# KiCad board fcart.kicad_pcb (continued)
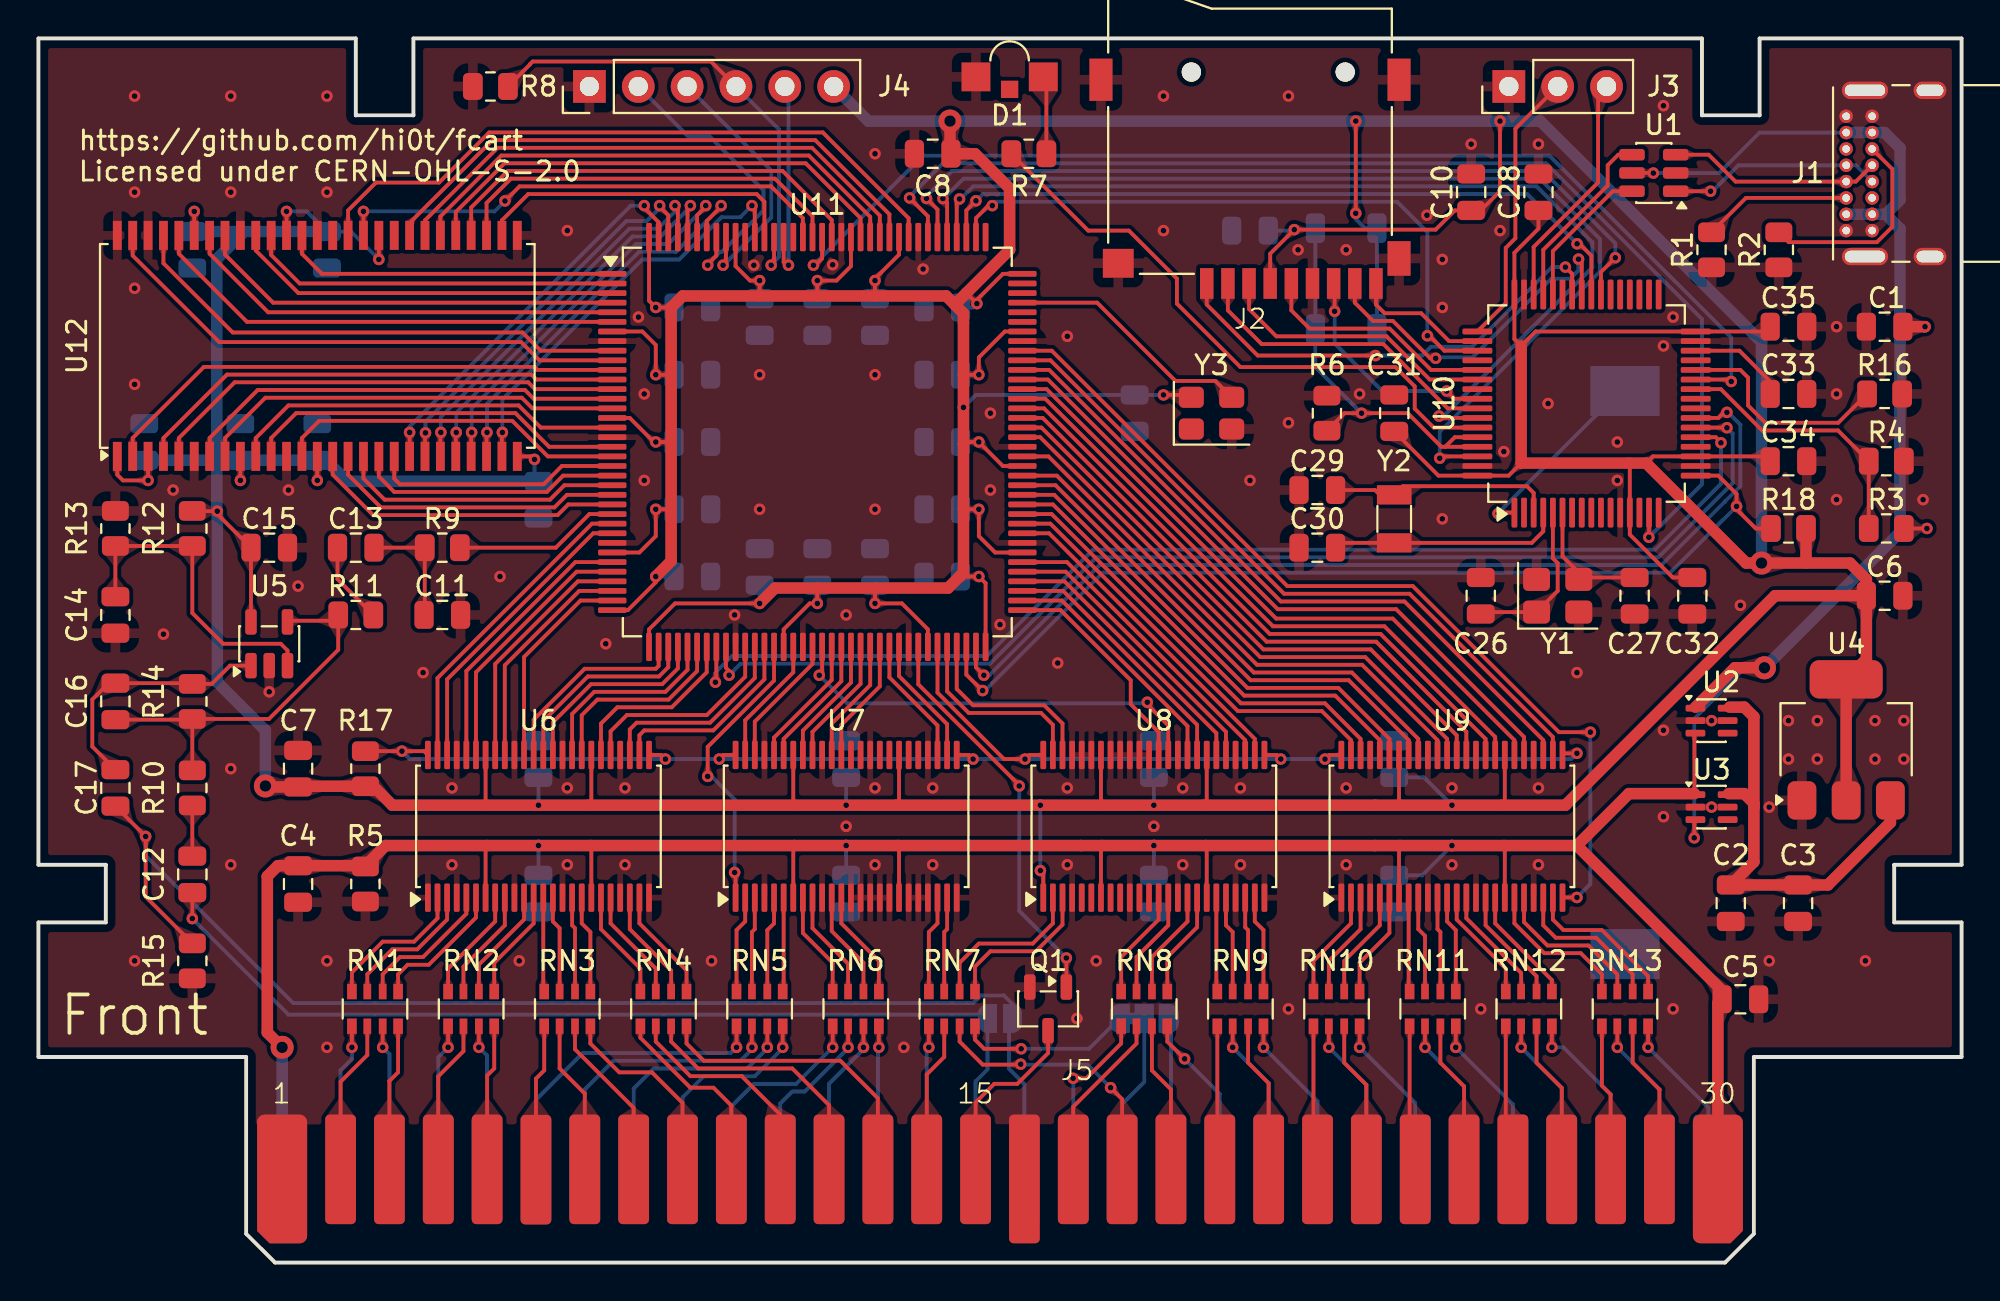
[diagram p0: board, top side]
## Routing (per net, layer and track width the routed paths; a pad name or vN(x,y) marks a point on that pad's centre or on a via; arc(x,y) is an arc through that point) (continued)
SDRAM_DQ5: length 20.7
  Top w0.2: U11.17 26.12,43.45 24.97,44.6 13,44.6 11.3,42.9 U12.10
SDRAM_DQ6: length 20
  Top w0.2: U12.11 12.1,42.9 13.4,44.2 24.8,44.2 26.55,42.45 U11.19
SDRAM_DQ7: length 18.2
  Top w0.2: U12.13 13.7,42.9 14.6,43.8 24.64,43.8 26.49,41.95 U11.20
SDRAM_DQ8: length 17.5
  Top w0.2: U12.42 13.7,52.49 14.75,51.45 U11.1
SDRAM_DQ9: length 19.4
  Top w0.2: U11.2 13.58,50.95 12.1,52.43 U12.44
SDRAM_DQ10: length 20.2
  Top w0.2: U12.45 11.3,52.66 13.51,50.45 U11.3
SDRAM_DQ11: length 22.2
  Top w0.2: U12.47 9.7,52.45 12.2,49.95 U11.4
SDRAM_DQ12: length 23.2
  Top w0.2: U11.5 11.94,49.45 8.9,52.49 U12.48
SDRAM_DQ13: length 25
  Top w0.2: U12.50 7.3,52.49 10.84,48.95 U11.6
SDRAM_DQ14: length 26.7
  Top w0.2: U11.9 26.12,47.45 25.17,48.4 10.1,48.4 6.5,52 U12.51
SDRAM_DQ15: length 28.2
  Top w0.2: U11.10 26.05,46.95 25.1,47.9 9.4,47.9 4.9,52.4 U12.53
SDRAM_LDQM: length 16.6
  Top w0.2: U12.15 15.3,41 17.4,38.9 27,38.9 27.55,39.45 U11.25
SDRAM_RAS: length 13.9
  Top w0.2: U11.22 27.28,40.95 26.43,40.1 18.5,40.1 17.7,40.9 U12.18
SDRAM_UDQM: length 35
  Top w0.2: U12.39 16.1,54.75 17.55,56.2 20.83,56.2 23.44,58.81 40.78,58.81 45.25,54.34 U11.117
SDRAM_WE: length 15.7
  Top w0.2: U11.24 27.48,39.95 26.83,39.3 17.8,39.3 16.1,41 U12.16
SND_IN: length 52.7
  Top w0.2: v1(8,17.9) C12.1
  Bottom w0.2: JP1.1 49.35,10.05 48.73,9.43 J5.45 ; v1(8,17.9) 13,12.9 49.15,12.9
SND_OUT: length 67.2
  Top w0.2: C17.2 v1(5.58,22.17) 5.58,19.04 R15.1
  Bottom w0.2: J5.46 51.27,9.28 50.47,10.08 50.47,12.52 ; JP1.2 50.65,13.45 50.2,13.9 49,13.9 48.6,13.5 13.25,13.5 5.58,21.17 v1(5.58,22.17)
SPI_MISO: length 62.5
  Top w0.2: v1(35.91,30.56) 35.91,30.79 35.75,30.95 U11.45 ; v1(87.8,43.44) 87.79,43.45 U10.22
  Bottom w0.2: v1(87.8,43.44) 88.1,43.14 88.1,40.57 84.23,36.7 55.02,36.7 49.48,31.16 36.51,31.16 v1(35.91,30.56)
SPI_MOSI: length 51
  Top w0.2: U10.23 87.35,43.95 87.64,44.24 v1(87.8,44.24) ; v1(49.16,30.56) 48.75,30.97 U11.71
  Bottom w0.2: v1(49.16,30.56) 49.44,30.56 55.18,36.3 84.4,36.3 87.7,39.6 87.7,39.6 88.5,40.4 88.5,43.6 87.85,44.24 v1(87.8,44.24)
SPI_NCS: length 51.3
  Top w0.2: U11.70 48.25,30.6 49.08,29.76 49.1,29.76 v1(49.1,29.76) ; R18.2 89.3,38.2 88.3,39.2 v1(88.3,39.35) 88.3,40 87.35,40.95 U10.17
  Bottom w0.2: v1(88.3,39.35) 84.85,35.9 55.35,35.9 49.22,29.77 49.1,29.77 v1(49.1,29.76)
SPI_SCK: length 62.3
  Top w0.2: U11.44 35.25,30.43 35.2,30.38 v1(35.2,30.2) ; v1(87.49,42.66) 87.49,42.68 87.22,42.95 U10.21
  Bottom w0.2: v1(87.49,42.66) 87.49,40.52 84.07,37.1 54.85,37.1 49.31,31.56 36.06,31.56 35.2,30.7 v1(35.2,30.2)
SWCLK: length 14.5
  Top w0.2: U10.49 76.3,49.92 76.3,52.8 76.8,53.3 76.8,59 J3.2
SWDIO: length 11.8
  Top w0.2: U10.46 77.75,52.85 81.1,56.2 81.1,60.76
TCK: length 24.9
  Top w0.2: v1(38.1,51.9) 38.25,52.05 U11.131 ; J4.4 34.97,62.5 25.7,62.5 25.56,62.36 25.56,62.35 R8.1
  Bottom w0.2: J4.4 38.5,58.97 38.5,52.33 38.1,51.93 v1(38.1,51.9)
TDI: length 13.7
  Top w0.2: U11.136 35.75,52.05 v1(35.6,51.9)
  Bottom w0.2: J4.3 38.1,56.83 38.1,54.38 35.62,51.9
TDO: length 15.6
  Top w0.2: 34.76,51.94 v1(34.8,51.9) 34.8,51.95 35.25,52.4 U11.137
  Bottom w0.2: J4.2 33.79,58.6 34.9,58.6 37.7,55.8 37.7,54.75 35.55,52.6 35.45,52.6 34.8,51.95 v1(34.8,51.9)
TMS: length 10.9
  Top w0.2: v1(39,51.9) 38.91,51.9 38.75,52.06 U11.130
  Bottom w0.2: v1(39,51.9) 38.99,51.89 38.91,51.89 ; v1(39,51.9) 38.95,51.95 ; v1(39,51.9) 39,61.01
USB_D+: length 9.6
  Top w0.2: U1.4 82.15,57.65 81.6,57.1 81.6,56.05 78.25,52.7 U10.45
USB_D-: length 7.7
  Top w0.2: U10.44 78.75,52.63 81.87,55.75 U1.6
USB_DET: length 14.1
  Top w0.2: U10.26 87.48,45.45 89.63,43.3 93.57,43.3 R4.2 R3.1
VCART: length 145.9
  Top w0.2: U7.18 44.75,21.65 44.7,21.7 ; U6.7 23.25,21.65 23.3,21.7 ; 60.7,21.7 60.75,21.65 U8.18 ; 86.11,27.55 86.11,24.4 ; 76.2,21.7 76.25,21.65 U9.18 ; U8.7 55.25,21.65 55.3,21.7 ; U7.7 39.25,21.65 39.3,21.7 ; U9.7 70.75,21.65 70.8,21.7 ; 28.7,21.7 28.75,21.65 U6.18
  Top w0.6: 80,21.7 87.55,14.15 C5.1 87.33,13.48 J5.30 ; 80,21.7 v1(73.5,21.7) v1(58,21.7) v1(42,21.7) v1(26,21.7) 18.05,21.7 17,20.65 ; 80,21.7 82.7,24.4 86.11,24.4 ; v2(12.67,11.2) 11.9,11.97 11.9,20.1 12.45,20.65 16.96,20.65
  Bottom w0.2: C18.1 v1(26,21.7) ; C24.1 71.95,20.15 v1(73.5,21.7) ; C22.1 v1(58,21.7) ; C20.1 v1(42,21.7)
  Bottom w0.6: J5.31 v2(12.67,11.2)
VUSB: length 69.2
  Top w0.2: U1.5 83.97,56.7 v1(83.97,56.69) ; v1(86.1,22.1) 86.11,22.11 86.11,23.05 ; R3.2 v1(98.2,38.2)
  Top w0.6: 86.16,28.9 88.21,30.95 v2(89.75,30.95) ; v1(98.1,48.7) C1.1
  Bottom w0.2: J1.A9 89.5,58.8 87.39,56.69 v1(83.97,56.69) ; v1(86.1,22.1) 86.1,28.3 88.75,30.95 v2(89.75,30.95) ; v1(98.2,38.2) 96.8,38.2
  Bottom w0.6: J1.A4 J1.B9 96.05,54.55 ; 96.05,54.55 96.8,53.8 96.8,48.7 ; 96.05,54.55 96.8,55.3 96.8,58 96,58.8 J1.B4 J1.A9 ; v2(89.75,30.95) 96.8,38 96.8,48.7 ; 96.8,48.7 v1(98.1,48.7)
Net-(C11-Pad1): length 6.1
  Top w0.2: C13.1 R9.1 20.09,33.74
Net-(C12-Pad2): length 2.6
  Top w0.2: R10.2 C12.2
Net-(C13-Pad2): length 4.3
  Top w0.2: R11.2 15.55,35.56 C13.2
Net-(C16-Pad2): length 12.8
  Top w0.2: C16.2 7.96,30.15 ; R14.1 9.01,30.11 9.96,31.06 U5.1 ; 3.65,30.15 2.8,29.3 2.8,26.85 C17.1
Net-(D1-A): length 3.8
  Top w0.2: R7.1 52.41,61.54
Net-(J1-CC1): length 7.7
  Top w0.2: R1.1 88.79,55.4 J1.A5
Net-(J1-CC2): length 10.9
  Top w0.2: R2.1 91.01,53.1 95.6,53.1 96.4,53.9 96.4,56.9 J1.B5
Net-(J1-D+-PadA6): length 11.1
  Top w0.2: J1.B6 94.5,56.25 J1.A6 88.25,56.25 86.85,57.65 U1.3
Net-(J1-D--PadA7): length 11.1
  Top w0.2: v1(86.95,55.75) U1.1
  Bottom w0.2: v1(86.95,55.75) 87.05,55.75 88.4,57.1 J1.A7 94.5,57.1 J1.B7
Net-(JP2-A): length 9.1
  Top w0.2: RN7.8 48.7,11.6 49.18,11.12 v1(51.1,11.12)
  Bottom w0.2: JP2.1 54.62,11.12 v1(51.1,11.12) 51.12,11.1
Net-(RN1-R1.1): length 7.2
  Top w0.2: U6.6 22.75,17.95 20.3,15.5 19.2,15.5 18.7,15 RN1.1
Net-(RN1-R2.1): length 7.4
  Top w0.2: RN1.2 17.9,15 18.8,15.9 20,15.9 22.25,18.15 U6.5
Net-(RN1-R3.1): length 7.4
  Top w0.2: U6.3 21.25,17.85 19.7,16.3 18.4,16.3 17.1,15 RN1.3
Net-(RN1-R4.1): length 7.7
  Top w0.2: U6.2 20.75,17.92 19.53,16.7 17.9,16.7 16.3,15.1 RN1.4
Net-(RN2-R1.1): length 5.7
  Top w0.2: RN2.1 23.7,15.6 25.75,17.65 U6.12
Net-(RN2-R2.1): length 5.9
  Top w0.2: U6.11 25.25,17.85 22.9,15.5 RN2.2
Net-(RN2-R3.1): length 5.8
  Top w0.2: U6.9 24.25,17.55 22.1,15.4 RN2.3
Net-(RN2-R4.1): length 5.9
  Top w0.2: U6.8 23.75,17.75 21.3,15.3 RN2.4
Net-(RN3-R1.1): length 5.1
  Top w0.2: RN3.1 28.7,17.2 28.25,17.65 U6.17
Net-(RN3-R2.1): length 4.9
  Top w0.2: RN3.2 27.9,17.4 27.75,17.55 U6.16
Net-(RN3-R3.1): length 5
  Top w0.2: RN3.3 27.1,17.4 26.75,17.75 U6.14
Net-(RN3-R4.1): length 4.8
  Top w0.2: U6.13 26.25,14.15
Net-(RN4-R1.1): length 5.9
  Top w0.2: RN4.1 33.7,15.2 31.25,17.65 U6.23
Net-(RN4-R2.1): length 5.8
  Top w0.2: U6.22 30.75,17.35 32.9,15.2 RN4.2
Net-(RN4-R3.1): length 5.9
  Top w0.2: U6.20 29.75,17.65 32.1,15.3 RN4.3
Net-(RN4-R4.1): length 5.7
  Top w0.2: RN4.4 31.3,15.3 29.25,17.35 U6.19
Net-(RN5-R1.1): length 4.8
  Top w0.2: U7.6 38.75,14.15
Net-(RN5-R2.1): length 5
  Top w0.2: RN5.2 37.9,17.3 38.25,17.65 U7.5
Net-(RN5-R3.1): length 4.9
  Top w0.2: RN5.3 37.1,17.2 37.25,17.35 U7.3
Net-(RN5-R4.1): length 5.1
  Top w0.2: U7.2 36.75,17.75 36.3,17.3 RN5.4
Net-(RN6-R1.1): length 5.7
  Top w0.2: RN6.1 43.7,15.7 41.75,17.65 U7.12
Net-(RN6-R2.1): length 5.6
  Top w0.2: U7.11 41.25,17.25 42.9,15.6 RN6.2
Net-(RN6-R3.1): length 5.7
  Top w0.2: RN6.3 42.1,15.55 40.25,17.4 U7.9
Net-(RN6-R4.1): length 5.5
  Top w0.2: RN6.4 41.3,15.6 39.75,17.15 U7.8
Net-(RN7-R1.1): length 8.2
  Top w0.2: U8.3 53.25,17.58 51.87,16.2 49.5,16.2 48.7,15.4 RN7.1
Net-(RN7-R2.1): length 8.5
  Top w0.2: U8.2 52.75,17.65 51.7,16.6 48.9,16.6 47.9,15.6 RN7.2
Net-(RN7-R3.1): length 4.9
  Top w0.2: U7.23 47.25,17.35 47.1,17.2 RN7.3
Net-(RN7-R4.1): length 5.1
  Top w0.2: RN7.4 46.3,17.2 46.75,17.65 U7.22
Net-(RN8-R1.1): length 5.5
  Top w0.2: U8.17 60.25,17.45 58.7,15.9 RN8.1
Net-(RN8-R2.1): length 5.7
  Top w0.2: U8.16 59.75,17.75 57.9,15.9 RN8.2
Net-(RN8-R3.1): length 5.6
  Top w0.2: U8.14 58.75,17.55 57.1,15.9 RN8.3
Net-(RN8-R4.1): length 5.7
  Top w0.2: RN8.4 56.3,15.9 58.25,17.85 U8.13
Net-(RN9-R1.1): length 5.1
  Top w0.2: U8.23 63.25,17.75 63.7,17.3 RN9.1
Net-(RN9-R2.1): length 4.9
  Top w0.2: RN9.2 62.9,17.3 62.75,17.45 U8.22
Net-(RN9-R3.1): length 5
  Top w0.2: U8.20 61.75,17.55 62.1,17.2 RN9.3
Net-(RN9-R4.1): length 4.8
  Top w0.2: U8.19 61.25,14.15
Net-(RN10-R1.1): length 5.5
  Top w0.2: U9.6 70.25,17.15 68.7,15.6 RN10.1
Net-(RN10-R2.1): length 5.7
  Top w0.2: U9.5 69.75,17.55 67.9,15.7 RN10.2
Net-(RN10-R3.1): length 5.6
  Top w0.2: RN10.3 67.1,15.7 68.75,17.35 U9.3
Net-(RN10-R4.1): length 5.7
  Top w0.2: U9.2 68.25,17.65 66.3,15.7 RN10.4
Net-(RN11-R1.1): length 5.1
  Top w0.2: RN11.1 73.7,17.3 73.25,17.75 U9.12
Net-(RN11-R2.1): length 4.9
  Top w0.2: RN11.2 72.9,17.2 72.75,17.35 U9.11
Net-(RN11-R3.1): length 5
  Top w0.2: U9.9 71.75,17.35 72.1,17 RN11.3
Net-(RN11-R4.1): length 4.8
  Top w0.2: U9.8 71.25,14.15
Net-(RN12-R1.1): length 6.1
  Top w0.2: RN12.1 78.7,14.7 75.75,17.65 U9.17
Net-(RN12-R2.1): length 6
  Top w0.2: RN12.2 77.9,14.9 75.25,17.55 U9.16
Net-(RN12-R3.1): length 6.1
  Top w0.2: U9.14 74.25,17.92 77.1,15.07 RN12.3
Net-(RN12-R4.1): length 5.9
  Top w0.2: RN12.4 76.3,15.3 73.75,17.85 U9.13
Net-(RN13-R1.1): length 8.1
  Top w0.2: U9.23 78.75,17.85 79.3,17.3 81.3,17.3 83.7,14.9 RN13.1
Net-(RN13-R2.1): length 8
  Top w0.2: RN13.2 82.9,15 81,16.9 78.9,16.9 78.25,17.55 U9.22
Net-(RN13-R3.1): length 8.1
  Top w0.2: RN13.3 82.1,15 80.6,16.5 78.47,16.5 77.25,17.72 U9.20
Net-(RN13-R4.1): length 7.9
  Top w0.2: RN13.4 81.3,15 80.2,16.1 78.3,16.1 76.75,17.65 U9.19
Net-(U5-+): length 16.7
  Top w0.2: U5.3 12.95,31.85 12.6,32.2 9.6,32.2 8,33.8 R12.1 R13.2 C14.2
Net-(U5--): length 19.8
  Top w0.2: R11.1 15.59,31.89 11.99,28.29 R14.2 R10.1 ; C16.1 7.96,28.25 ; 13.01,33.4 15.29,33.4
Net-(U10-PB2): length 11.5
  Top w0.2: U10.28 88.5,46.45 88.9,46.05 88.9,44.6 89.8,43.7 93.59,43.7 R16.1
Net-(U10-PC14): length 11
  Top w0.2: 69.75,39.95 69.5,40.2 C29.2 ; Y2.2 70.95,40.4 77.4,40.4 77.75,40.05 U10.3
Net-(U10-PC15): length 11.8
  Top w0.2: U10.4 78.25,38.05 77.65,37.45 Y2.1 67.7,37.45
Net-(U10-PH0): length 8.5
  Top w0.2: 75.1,33.85 Y1.1 79,34.95 79,36.4 78.75,36.65 U10.5
Net-(U10-PH1): length 6
  Top w0.2: U10.6 79.25,36.75 80.1,35.9 ; 80.45,35.65 C27.2
Net-(U10-VCAP_1): length 4.7
  Top w0.2: U10.30 88.45,47.45 90.05,45.85 90.05,45.65
Net-(U11A-PR3A/BANK1/T/R_GPLLT_IN/DQ0): length 12.9
  Top w0.2: U11.105 55.05,49.95 59.12,45.88 61.2,45.88 Y3.3

## Copper pours and planes (outline as drawn; the poured copper is in the pictures)
GND on Top, Bottom: -0.48,64.23 100.48,64.16 100.52,7.22 -0.46,7.18

Small or netless copper shapes (teardrops, artwork), in the pictures only: 732 on Top, 241 on Bottom

## Text on the board
F.Silkscreen: https://github.com/hi0t/fcart / Licensed under CERN-OHL-S-2.0
